# Altium PCB Tag201_GangProgrammerRev1.PcbDoc (part 7 of 7)
Units mil, origin at the board's own origin, x right, y up, seen from the top; angles counter-clockwise.
Board outline 10400 x 10885 mil, 4 copper layers (Top Layer, VCC, GND, Bottom Layer), stack 67.2 mil thick; 874 components, 385 nets, 2980 pads, 650 vias.
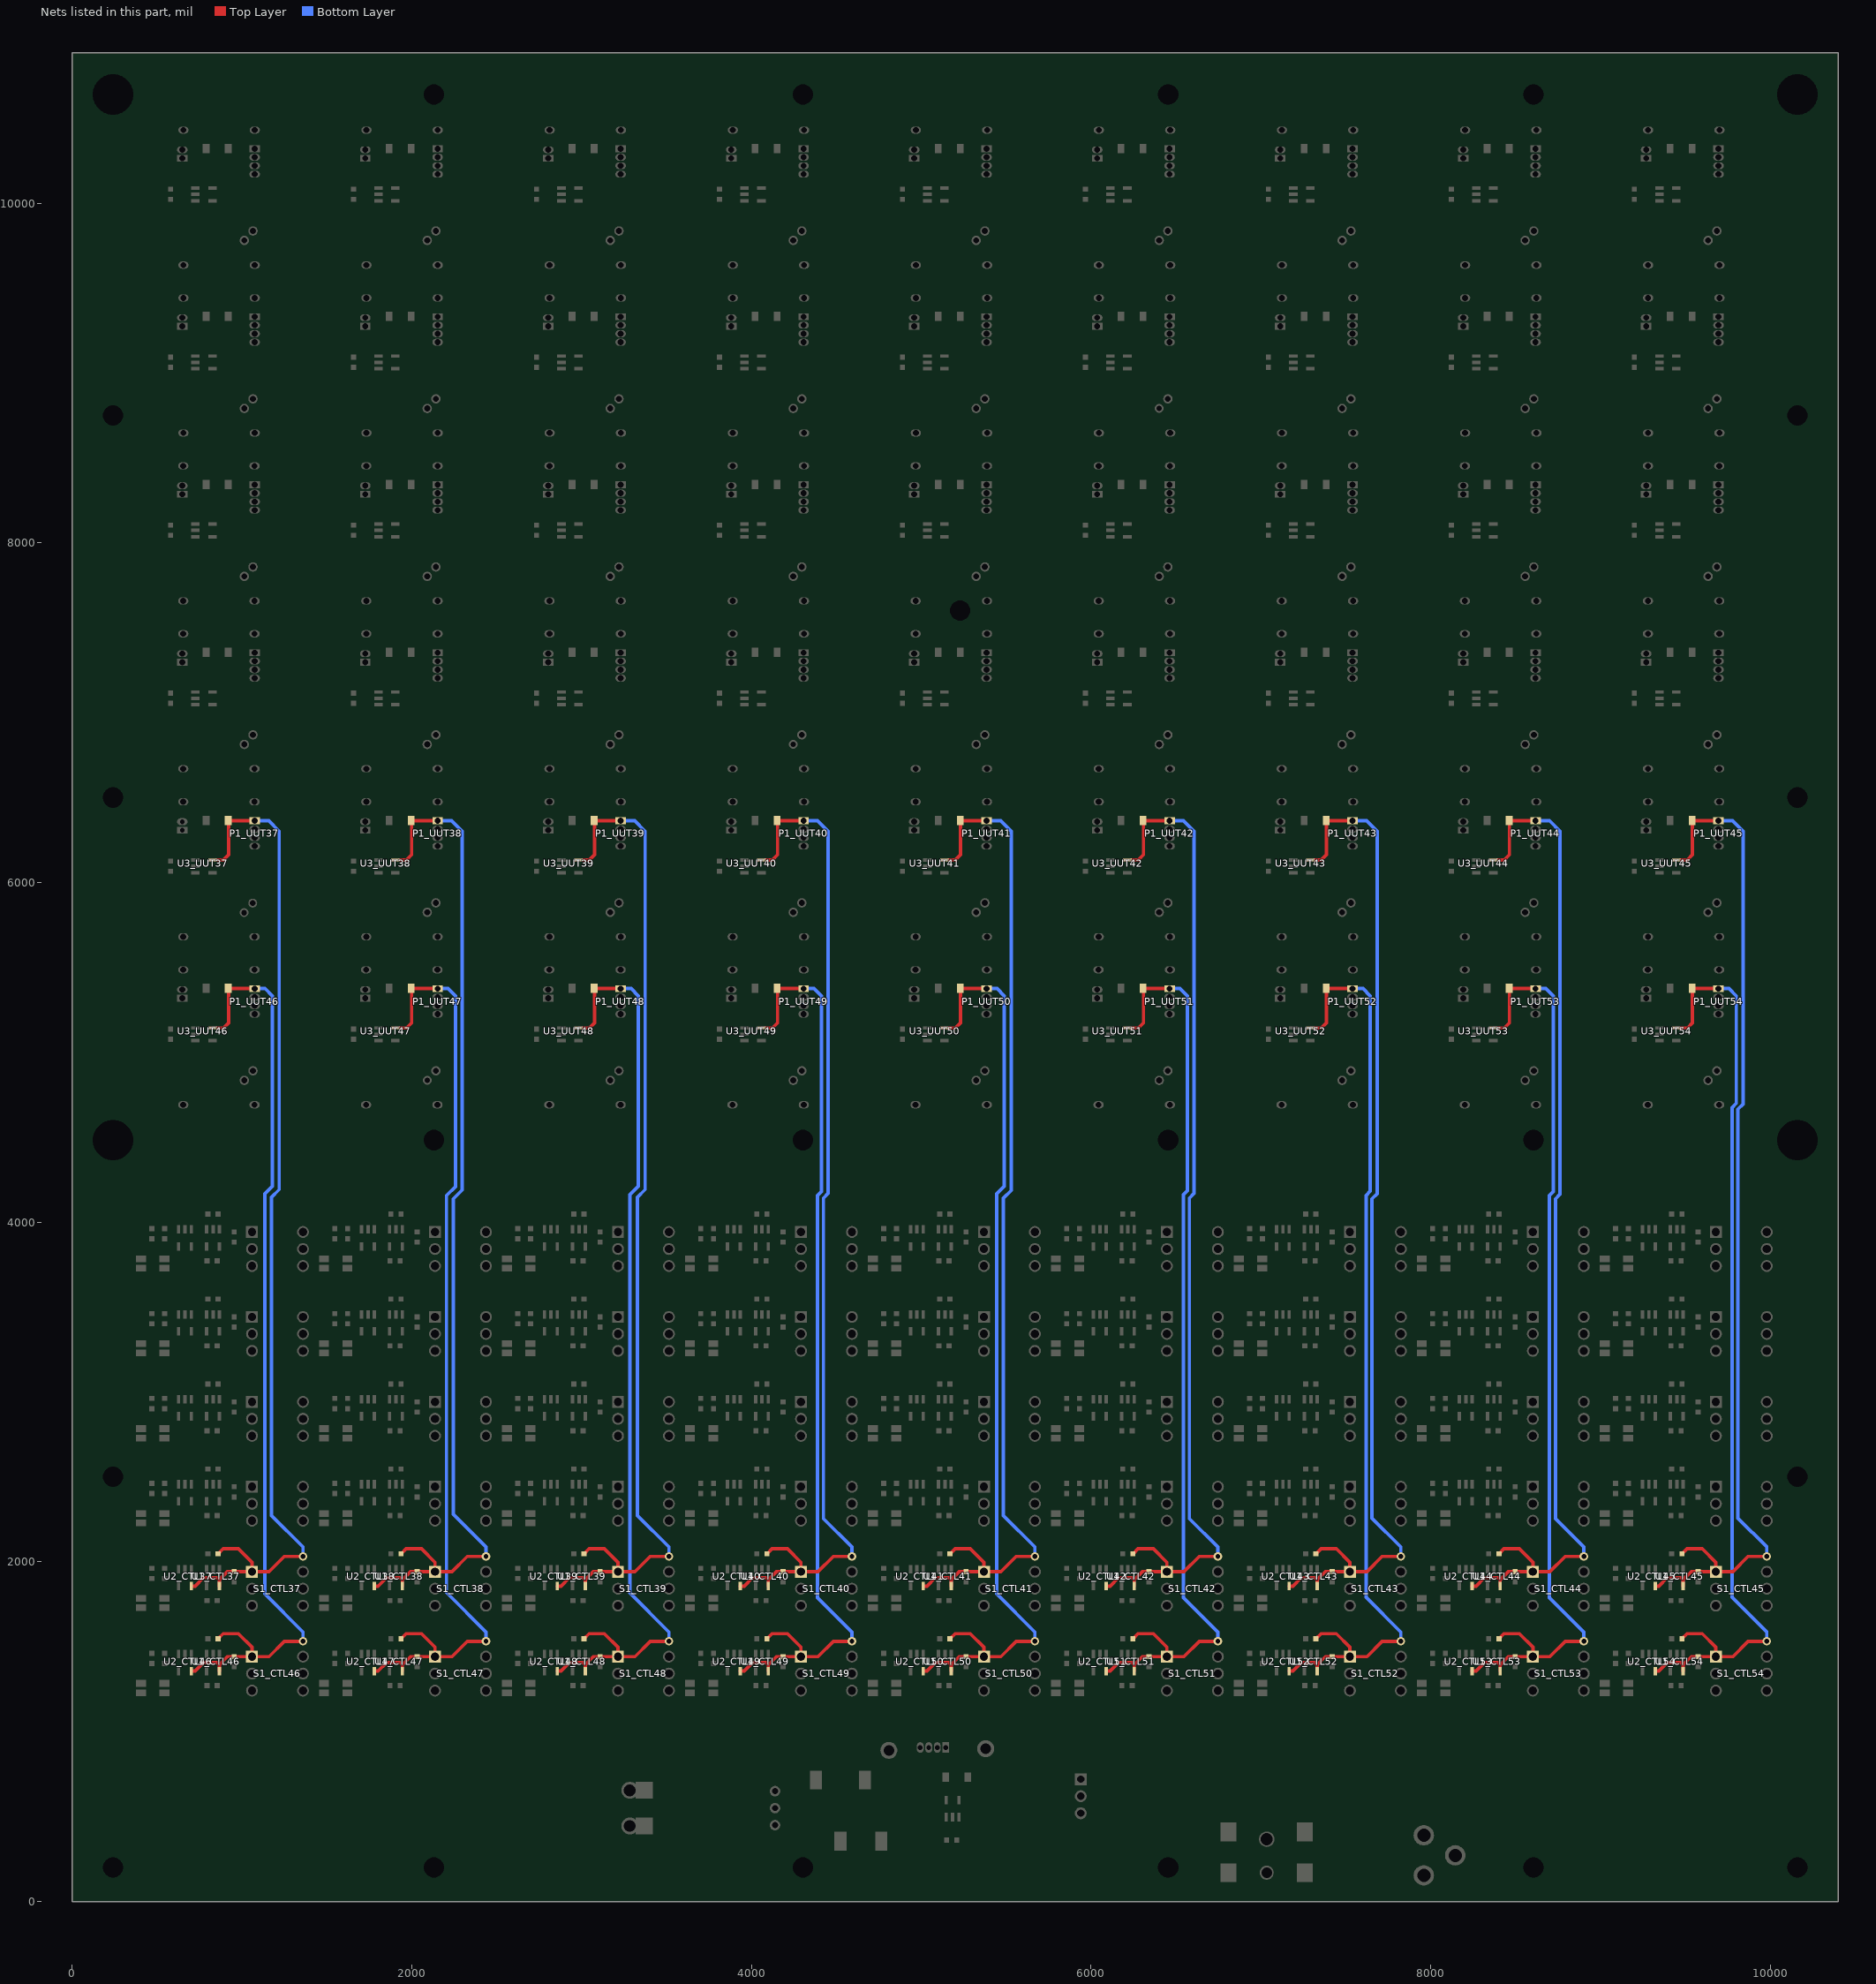
[diagram p9: the nets of this part, all layers, seen from the top]

## Via types
v1: diameter 50, hole 28, Top Layer to Bottom Layer, tented both sides, 650 vias

## Nets (pads, with @x,y where several pads share a name; then routed paths per layer and width w, separated by ;. In a path a pad name is that pad's centre, name@x,y a point inside that pad or via, vN(x,y) a via of type N, cw(c..) or ccw(c..) an arc to the next point about the centre after c; other vN are vias at no path point) (continued)
VCC37: C2_UUT37.1 C3_CTL37.1 P1_UUT37.1 R4_CTL37.1 S1_CTL37.1 U1_CTL37.5 U2_CTL37.5 U3_UUT37.5 | length 6076
  Top Layer w20: U2_CTL37.5@701.5,1857 724,1857 774,1907 854,1907 866.5,1894.5 ; U3_UUT37.5@826,6132.5 890.5,6132.5 921,6163 921,6364 P1_UUT37.1@1074.5,6364 ; R4_CTL37.1@859,2047 889,2077 979,2077 1059,1997 S1_CTL37.1@1059,1942 ; U1_CTL37.5@866.5,1857 866.5,1894.5 ; v1(1359,2032) 1249,2032 1159,1942 S1_CTL37.1@1059,1942 ; 866.5,1894.5 914,1942 C3_CTL37.1@954,1942 S1_CTL37.1@1059,1942
  Bottom Layer w20: P1_UUT37.1@1074.5,6364 1157,6364 1219,6302 1219,4192 1174,4147 1174,2272 1359,2087 v1(1359,2032)
VCC38: C2_UUT38.1 C3_CTL38.1 P1_UUT38.1 R4_CTL38.1 S1_CTL38.1 U1_CTL38.5 U2_CTL38.5 U3_UUT38.5 | length 6082.2
  Top Layer w20: U2_CTL38.5@1779,1857 1801.5,1857 1851.5,1907 1931.5,1907 1944,1894.5 ; U3_UUT38.5@1903.5,6132.5 1968,6132.5 1998.5,6163 1998.5,6364 P1_UUT38.1@2152,6364 ; R4_CTL38.1@1936.5,2047 1966.5,2077 2056.5,2077 2136.5,1997 S1_CTL38.1@2136.5,1942 ; U1_CTL38.5@1944,1857 1944,1894.5 ; v1(2436.5,2032) 2326.5,2032 2236.5,1942 S1_CTL38.1@2136.5,1942 ; 1944,1894.5 1991.5,1942 C3_CTL38.1@2031.5,1942 S1_CTL38.1@2136.5,1942
  Bottom Layer w20: P1_UUT38.1@2152,6364 2234.5,6364 2296.5,6302 2296.5,4189.5 2244,4137 2244,2279.5 2436.5,2087 v1(2436.5,2032)
VCC39: C2_UUT39.1 C3_CTL39.1 P1_UUT39.1 R4_CTL39.1 S1_CTL39.1 U1_CTL39.5 U2_CTL39.5 U3_UUT39.5 | length 6076
  Top Layer w20: U2_CTL39.5@2856.5,1857 2879,1857 2929,1907 3009,1907 3021.5,1894.5 ; U3_UUT39.5@2981,6132.5 3045.5,6132.5 3076,6163 3076,6364 P1_UUT39.1@3229.5,6364 ; R4_CTL39.1@3014,2047 3044,2077 3134,2077 3214,1997 S1_CTL39.1@3214,1942 ; U1_CTL39.5@3021.5,1857 3021.5,1894.5 ; v1(3514,2032) 3404,2032 3314,1942 S1_CTL39.1@3214,1942 ; 3021.5,1894.5 3069,1942 C3_CTL39.1@3109,1942 S1_CTL39.1@3214,1942
  Bottom Layer w20: P1_UUT39.1@3229.5,6364 3312,6364 3374,6302 3374,4192 3329,4147 3329,2272 3514,2087 v1(3514,2032)
VCC40: C2_UUT40.1 C3_CTL40.1 P1_UUT40.1 R4_CTL40.1 S1_CTL40.1 U1_CTL40.5 U2_CTL40.5 U3_UUT40.5 | length 6061.5
  Top Layer w20: U2_CTL40.5@3934,1857 3956.5,1857 4006.5,1907 4086.5,1907 4099,1894.5 ; U3_UUT40.5@4058.5,6132.5 4123,6132.5 4153.5,6163 4153.5,6364 P1_UUT40.1@4307,6364 ; R4_CTL40.1@4091.5,2047 4121.5,2077 4211.5,2077 4291.5,1997 S1_CTL40.1@4291.5,1942 ; U1_CTL40.5@4099,1857 4099,1894.5 ; v1(4591.5,2032) 4481.5,2032 4391.5,1942 S1_CTL40.1@4291.5,1942 ; 4099,1894.5 4146.5,1942 C3_CTL40.1@4186.5,1942 S1_CTL40.1@4291.5,1942
  Bottom Layer w20: P1_UUT40.1@4307,6364 4389.5,6364 4451.5,6302 4451.5,4169.5 4424,4142 4424,2254.5 4591.5,2087 v1(4591.5,2032)
VCC41: C2_UUT41.1 C3_CTL41.1 P1_UUT41.1 R4_CTL41.1 S1_CTL41.1 U1_CTL41.5 U2_CTL41.5 U3_UUT41.5 | length 6076
  Top Layer w20: U2_CTL41.5@5011.5,1857 5034,1857 5084,1907 5164,1907 5176.5,1894.5 ; U3_UUT41.5@5136,6132.5 5200.5,6132.5 5231,6163 5231,6364 P1_UUT41.1@5384.5,6364 ; R4_CTL41.1@5169,2047 5199,2077 5289,2077 5369,1997 S1_CTL41.1@5369,1942 ; U1_CTL41.5@5176.5,1857 5176.5,1894.5 ; v1(5669,2032) 5559,2032 5469,1942 S1_CTL41.1@5369,1942 ; 5176.5,1894.5 5224,1942 C3_CTL41.1@5264,1942 S1_CTL41.1@5369,1942
  Bottom Layer w20: P1_UUT41.1@5384.5,6364 5467,6364 5529,6302 5529,4187 5484,4142 5484,2272 5669,2087 v1(5669,2032)
VCC42: C2_UUT42.1 C3_CTL42.1 P1_UUT42.1 R4_CTL42.1 S1_CTL42.1 U1_CTL42.5 U2_CTL42.5 U3_UUT42.5 | length 6061.5
  Top Layer w20: U2_CTL42.5@6089,1857 6111.5,1857 6161.5,1907 6241.5,1907 6254,1894.5 ; U3_UUT42.5@6213.5,6132.5 6278,6132.5 6308.5,6163 6308.5,6364 P1_UUT42.1@6462,6364 ; R4_CTL42.1@6246.5,2047 6276.5,2077 6366.5,2077 6446.5,1997 S1_CTL42.1@6446.5,1942 ; U1_CTL42.5@6254,1857 6254,1894.5 ; v1(6746.5,2032) 6636.5,2032 6546.5,1942 S1_CTL42.1@6446.5,1942 ; 6254,1894.5 6301.5,1942 C3_CTL42.1@6341.5,1942 S1_CTL42.1@6446.5,1942
  Bottom Layer w20: P1_UUT42.1@6462,6364 6544.5,6364 6606.5,6302 6606.5,4169.5 6579,4142 6579,2254.5 6746.5,2087 v1(6746.5,2032)
VCC43: C2_UUT43.1 C3_CTL43.1 P1_UUT43.1 R4_CTL43.1 S1_CTL43.1 U1_CTL43.5 U2_CTL43.5 U3_UUT43.5 | length 6063.6
  Top Layer w20: U2_CTL43.5@7166.5,1857 7189,1857 7239,1907 7319,1907 7331.5,1894.5 ; U3_UUT43.5@7291,6132.5 7355.5,6132.5 7386,6163 7386,6364 P1_UUT43.1@7539.5,6364 ; R4_CTL43.1@7324,2047 7354,2077 7444,2077 7524,1997 S1_CTL43.1@7524,1942 ; U1_CTL43.5@7331.5,1857 7331.5,1894.5 ; v1(7824,2032) 7714,2032 7624,1942 S1_CTL43.1@7524,1942 ; 7331.5,1894.5 7379,1942 C3_CTL43.1@7419,1942 S1_CTL43.1@7524,1942
  Bottom Layer w20: P1_UUT43.1@7539.5,6364 7622,6364 7684,6302 7684,4167 7654,4137 7654,2257 7824,2087 v1(7824,2032)
VCC44: C2_UUT44.1 C3_CTL44.1 P1_UUT44.1 R4_CTL44.1 S1_CTL44.1 U1_CTL44.5 U2_CTL44.5 U3_UUT44.5 | length 6061.5
  Top Layer w20: U2_CTL44.5@8244,1857 8266.5,1857 8316.5,1907 8396.5,1907 8409,1894.5 ; U3_UUT44.5@8368.5,6132.5 8433,6132.5 8463.5,6163 8463.5,6364 P1_UUT44.1@8617,6364 ; R4_CTL44.1@8401.5,2047 8431.5,2077 8521.5,2077 8601.5,1997 S1_CTL44.1@8601.5,1942 ; U1_CTL44.5@8409,1857 8409,1894.5 ; v1(8901.5,2032) 8791.5,2032 8701.5,1942 S1_CTL44.1@8601.5,1942 ; 8409,1894.5 8456.5,1942 C3_CTL44.1@8496.5,1942 S1_CTL44.1@8601.5,1942
  Bottom Layer w20: P1_UUT44.1@8617,6364 8699.5,6364 8761.5,6302 8761.5,4164.5 8734,4137 8734,2254.5 8901.5,2087 v1(8901.5,2032)
VCC45: C2_UUT45.1 C3_CTL45.1 P1_UUT45.1 R4_CTL45.1 S1_CTL45.1 U1_CTL45.5 U2_CTL45.5 U3_UUT45.5 | length 6063.6
  Top Layer w20: U2_CTL45.5@9321.5,1857 9344,1857 9394,1907 9474,1907 9486.5,1894.5 ; U3_UUT45.5@9446,6132.5 9510.5,6132.5 9541,6163 9541,6364 P1_UUT45.1@9694.5,6364 ; R4_CTL45.1@9479,2047 9509,2077 9599,2077 9679,1997 S1_CTL45.1@9679,1942 ; U1_CTL45.5@9486.5,1857 9486.5,1894.5 ; v1(9979,2032) 9869,2032 9779,1942 S1_CTL45.1@9679,1942 ; 9486.5,1894.5 9534,1942 C3_CTL45.1@9574,1942 S1_CTL45.1@9679,1942
  Bottom Layer w20: P1_UUT45.1@9694.5,6364 9777,6364 9839,6302 9839,4695 9809,4665 9809,2257 9979,2087 v1(9979,2032)
VCC46: C2_UUT46.1 C3_CTL46.1 P1_UUT46.1 R4_CTL46.1 S1_CTL46.1 U1_CTL46.5 U2_CTL46.5 U3_UUT46.5 | length 5574.7
  Top Layer w20: U2_CTL46.5@701.5,1357 724,1357 774,1407 854,1407 866.5,1394.5 ; U3_UUT46.5@826,5143.5 890.5,5143.5 921,5174 921,5375 P1_UUT46.1@1074.5,5375 ; R4_CTL46.1@859,1547 889,1577 979,1577 1059,1497 S1_CTL46.1@1059,1442 ; U1_CTL46.5@866.5,1357 866.5,1394.5 ; v1(1359,1532) 1249,1532 1159,1442 S1_CTL46.1@1059,1442 ; 866.5,1394.5 914,1442 C3_CTL46.1@954,1442 S1_CTL46.1@1059,1442
  Bottom Layer w20: P1_UUT46.1@1074.5,5375 1136,5375 1179,5332 1179,4212 1134,4167 1134,1812 1359,1587 v1(1359,1532)
VCC47: C2_UUT47.1 C3_CTL47.1 P1_UUT47.1 R4_CTL47.1 S1_CTL47.1 U1_CTL47.5 U2_CTL47.5 U3_UUT47.5 | length 5580.9
  Top Layer w20: U2_CTL47.5@1779,1357 1801.5,1357 1851.5,1407 1931.5,1407 1944,1394.5 ; U3_UUT47.5@1903.5,5143.5 1968,5143.5 1998.5,5174 1998.5,5375 P1_UUT47.1@2152,5375 ; R4_CTL47.1@1936.5,1547 1966.5,1577 2056.5,1577 2136.5,1497 S1_CTL47.1@2136.5,1442 ; U1_CTL47.5@1944,1357 1944,1394.5 ; v1(2436.5,1532) 2326.5,1532 2236.5,1442 S1_CTL47.1@2136.5,1442 ; 1944,1394.5 1991.5,1442 C3_CTL47.1@2031.5,1442 S1_CTL47.1@2136.5,1442
  Bottom Layer w20: P1_UUT47.1@2152,5375 2213.5,5375 2256.5,5332 2256.5,4209.5 2204,4157 2204,1819.5 2436.5,1587 v1(2436.5,1532)
VCC48: C2_UUT48.1 C3_CTL48.1 P1_UUT48.1 R4_CTL48.1 S1_CTL48.1 U1_CTL48.5 U2_CTL48.5 U3_UUT48.5 | length 5578.8
  Top Layer w20: U2_CTL48.5@2856.5,1357 2879,1357 2929,1407 3009,1407 3021.5,1394.5 ; U3_UUT48.5@2981,5143.5 3045.5,5143.5 3076,5174 3076,5375 P1_UUT48.1@3229.5,5375 ; R4_CTL48.1@3014,1547 3044,1577 3134,1577 3214,1497 S1_CTL48.1@3214,1442 ; U1_CTL48.5@3021.5,1357 3021.5,1394.5 ; v1(3514,1532) 3404,1532 3314,1442 S1_CTL48.1@3214,1442 ; 3021.5,1394.5 3069,1442 C3_CTL48.1@3109,1442 S1_CTL48.1@3214,1442
  Bottom Layer w20: P1_UUT48.1@3229.5,5375 3291,5375 3334,5332 3334,4212 3284,4162 3284,1817 3514,1587 v1(3514,1532)
VCC49: C2_UUT49.1 C3_CTL49.1 P1_UUT49.1 R4_CTL49.1 S1_CTL49.1 U1_CTL49.5 U2_CTL49.5 U3_UUT49.5 | length 5556
  Top Layer w20: U2_CTL49.5@3934,1357 3956.5,1357 4006.5,1407 4086.5,1407 4099,1394.5 ; U3_UUT49.5@4058.5,5143.5 4123,5143.5 4153.5,5174 4153.5,5375 P1_UUT49.1@4307,5375 ; R4_CTL49.1@4091.5,1547 4121.5,1577 4211.5,1577 4291.5,1497 S1_CTL49.1@4291.5,1442 ; U1_CTL49.5@4099,1357 4099,1394.5 ; v1(4591.5,1532) 4481.5,1532 4391.5,1442 S1_CTL49.1@4291.5,1442 ; 4099,1394.5 4146.5,1442 C3_CTL49.1@4186.5,1442 S1_CTL49.1@4291.5,1442
  Bottom Layer w20: P1_UUT49.1@4307,5375 4368.5,5375 4411.5,5332 4411.5,4179.5 4389,4157 4389,1789.5 4591.5,1587 v1(4591.5,1532)
VCC50: C2_UUT50.1 C3_CTL50.1 P1_UUT50.1 R4_CTL50.1 S1_CTL50.1 U1_CTL50.5 U2_CTL50.5 U3_UUT50.5 | length 5574.7
  Top Layer w20: U2_CTL50.5@5011.5,1357 5034,1357 5084,1407 5164,1407 5176.5,1394.5 ; U3_UUT50.5@5136,5143.5 5200.5,5143.5 5231,5174 5231,5375 P1_UUT50.1@5384.5,5375 ; R4_CTL50.1@5169,1547 5199,1577 5289,1577 5369,1497 S1_CTL50.1@5369,1442 ; U1_CTL50.5@5176.5,1357 5176.5,1394.5 ; v1(5669,1532) 5559,1532 5469,1442 S1_CTL50.1@5369,1442 ; 5176.5,1394.5 5224,1442 C3_CTL50.1@5264,1442 S1_CTL50.1@5369,1442
  Bottom Layer w20: P1_UUT50.1@5384.5,5375 5446,5375 5489,5332 5489,4212 5444,4167 5444,1812 5669,1587 v1(5669,1532)
VCC51: C2_UUT51.1 C3_CTL51.1 P1_UUT51.1 R4_CTL51.1 S1_CTL51.1 U1_CTL51.5 U2_CTL51.5 U3_UUT51.5 | length 5556
  Top Layer w20: U2_CTL51.5@6089,1357 6111.5,1357 6161.5,1407 6241.5,1407 6254,1394.5 ; U3_UUT51.5@6213.5,5143.5 6278,5143.5 6308.5,5174 6308.5,5375 P1_UUT51.1@6462,5375 ; R4_CTL51.1@6246.5,1547 6276.5,1577 6366.5,1577 6446.5,1497 S1_CTL51.1@6446.5,1442 ; U1_CTL51.5@6254,1357 6254,1394.5 ; v1(6746.5,1532) 6636.5,1532 6546.5,1442 S1_CTL51.1@6446.5,1442 ; 6254,1394.5 6301.5,1442 C3_CTL51.1@6341.5,1442 S1_CTL51.1@6446.5,1442
  Bottom Layer w20: P1_UUT51.1@6462,5375 6523.5,5375 6566.5,5332 6566.5,4184.5 6544,4162 6544,1789.5 6746.5,1587 v1(6746.5,1532)
VCC52: C2_UUT52.1 C3_CTL52.1 P1_UUT52.1 R4_CTL52.1 S1_CTL52.1 U1_CTL52.5 U2_CTL52.5 U3_UUT52.5 | length 5558.1
  Top Layer w20: U2_CTL52.5@7166.5,1357 7189,1357 7239,1407 7319,1407 7331.5,1394.5 ; U3_UUT52.5@7291,5143.5 7355.5,5143.5 7386,5174 7386,5375 P1_UUT52.1@7539.5,5375 ; R4_CTL52.1@7324,1547 7354,1577 7444,1577 7524,1497 S1_CTL52.1@7524,1442 ; U1_CTL52.5@7331.5,1357 7331.5,1394.5 ; v1(7824,1532) 7714,1532 7624,1442 S1_CTL52.1@7524,1442 ; 7331.5,1394.5 7379,1442 C3_CTL52.1@7419,1442 S1_CTL52.1@7524,1442
  Bottom Layer w20: P1_UUT52.1@7539.5,5375 7601,5375 7644,5332 7644,4182 7619,4157 7619,1792 7824,1587 v1(7824,1532)
VCC53: C2_UUT53.1 C3_CTL53.1 P1_UUT53.1 R4_CTL53.1 S1_CTL53.1 U1_CTL53.5 U2_CTL53.5 U3_UUT53.5 | length 5556
  Top Layer w20: U2_CTL53.5@8244,1357 8266.5,1357 8316.5,1407 8396.5,1407 8409,1394.5 ; U3_UUT53.5@8368.5,5143.5 8433,5143.5 8463.5,5174 8463.5,5375 P1_UUT53.1@8617,5375 ; R4_CTL53.1@8401.5,1547 8431.5,1577 8521.5,1577 8601.5,1497 S1_CTL53.1@8601.5,1442 ; U1_CTL53.5@8409,1357 8409,1394.5 ; v1(8901.5,1532) 8791.5,1532 8701.5,1442 S1_CTL53.1@8601.5,1442 ; 8409,1394.5 8456.5,1442 C3_CTL53.1@8496.5,1442 S1_CTL53.1@8601.5,1442
  Bottom Layer w20: P1_UUT53.1@8617,5375 8678.5,5375 8721.5,5332 8721.5,4179.5 8699,4157 8699,1789.5 8901.5,1587 v1(8901.5,1532)
VCC54: C2_UUT54.1 C3_CTL54.1 P1_UUT54.1 R4_CTL54.1 S1_CTL54.1 U1_CTL54.5 U2_CTL54.5 U3_UUT54.5 | length 5558.1
  Top Layer w20: U2_CTL54.5@9321.5,1357 9344,1357 9394,1407 9474,1407 9486.5,1394.5 ; U3_UUT54.5@9446,5143.5 9510.5,5143.5 9541,5174 9541,5375 P1_UUT54.1@9694.5,5375 ; R4_CTL54.1@9479,1547 9509,1577 9599,1577 9679,1497 S1_CTL54.1@9679,1442 ; U1_CTL54.5@9486.5,1357 9486.5,1394.5 ; v1(9979,1532) 9869,1532 9779,1442 S1_CTL54.1@9679,1442 ; 9486.5,1394.5 9534,1442 C3_CTL54.1@9574,1442 S1_CTL54.1@9679,1442
  Bottom Layer w20: P1_UUT54.1@9694.5,5375 9756,5375 9799,5332 9799,4700 9774,4675 9774,1792 9979,1587 v1(9979,1532)
pads on no net: J1_UUT1.1 J1_UUT2.1 J1_UUT3.1 J1_UUT4.1 J1_UUT5.1 J1_UUT6.1 J1_UUT7.1 J1_UUT8.1 J1_UUT9.1 J1_UUT10.1 J1_UUT11.1 J1_UUT12.1 J1_UUT13.1 J1_UUT14.1 J1_UUT15.1 J1_UUT16.1 J1_UUT17.1 J1_UUT18.1 J1_UUT19.1 J1_UUT20.1 J1_UUT21.1 J1_UUT22.1 J1_UUT23.1 J1_UUT24.1 J1_UUT25.1 J1_UUT26.1 J1_UUT27.1 J1_UUT28.1 J1_UUT29.1 J1_UUT30.1 J1_UUT31.1 J1_UUT32.1 J1_UUT33.1 J1_UUT34.1 J1_UUT35.1 J1_UUT36.1 J1_UUT37.1 J1_UUT38.1 J1_UUT39.1 J1_UUT40.1 J1_UUT41.1 J1_UUT42.1 J1_UUT43.1 J1_UUT44.1 J1_UUT45.1 J1_UUT46.1 J1_UUT47.1 J1_UUT48.1 J1_UUT49.1 J1_UUT50.1 J1_UUT51.1 J1_UUT52.1 J1_UUT53.1 J1_UUT54.1 J2_UUT1.1 J2_UUT2.1 J2_UUT3.1 J2_UUT4.1 J2_UUT5.1 J2_UUT6.1 J2_UUT7.1 J2_UUT8.1 J2_UUT9.1 J2_UUT10.1 J2_UUT11.1 J2_UUT12.1 J2_UUT13.1 J2_UUT14.1 J2_UUT15.1 J2_UUT16.1 J2_UUT17.1 J2_UUT18.1 J2_UUT19.1 J2_UUT20.1 J2_UUT21.1 J2_UUT22.1 J2_UUT23.1 J2_UUT24.1 J2_UUT25.1 J2_UUT26.1 J2_UUT27.1 J2_UUT28.1 J2_UUT29.1 J2_UUT30.1 J2_UUT31.1 J2_UUT32.1 J2_UUT33.1 J2_UUT34.1 J2_UUT35.1 J2_UUT36.1 J2_UUT37.1 J2_UUT38.1 J2_UUT39.1 J2_UUT40.1 J2_UUT41.1 J2_UUT42.1 J2_UUT43.1 J2_UUT44.1 J2_UUT45.1 J2_UUT46.1 J2_UUT47.1 J2_UUT48.1 J2_UUT49.1 J2_UUT50.1 J2_UUT51.1 J2_UUT52.1 J2_UUT53.1 J2_UUT54.1 P20.2 P21.0 P21.3 S1.1 S1_CTL1.3 S1_CTL1.4 S1_CTL1.5 S1_CTL1.6 S1_CTL2.3 S1_CTL2.4 S1_CTL2.5 S1_CTL2.6 S1_CTL3.3 S1_CTL3.4 S1_CTL3.5 S1_CTL3.6 S1_CTL4.3 S1_CTL4.4 S1_CTL4.5 S1_CTL4.6 S1_CTL5.3 S1_CTL5.4 S1_CTL5.5 S1_CTL5.6 S1_CTL6.3 S1_CTL6.4 S1_CTL6.5 S1_CTL6.6 S1_CTL7.3 S1_CTL7.4 S1_CTL7.5 S1_CTL7.6 S1_CTL8.3 S1_CTL8.4 S1_CTL8.5 S1_CTL8.6 S1_CTL9.3 S1_CTL9.4 S1_CTL9.5 S1_CTL9.6 S1_CTL10.3 S1_CTL10.4 S1_CTL10.5 S1_CTL10.6 S1_CTL11.3 S1_CTL11.4 S1_CTL11.5 S1_CTL11.6 S1_CTL12.3 S1_CTL12.4 S1_CTL12.5 S1_CTL12.6 S1_CTL13.3 S1_CTL13.4 S1_CTL13.5 S1_CTL13.6 S1_CTL14.3 S1_CTL14.4 S1_CTL14.5 S1_CTL14.6 S1_CTL15.3 S1_CTL15.4 S1_CTL15.5 S1_CTL15.6 S1_CTL16.3 S1_CTL16.4 S1_CTL16.5 S1_CTL16.6 S1_CTL17.3 S1_CTL17.4 S1_CTL17.5 S1_CTL17.6 S1_CTL18.3 S1_CTL18.4 S1_CTL18.5 S1_CTL18.6 S1_CTL19.3 S1_CTL19.4 S1_CTL19.5 S1_CTL19.6 S1_CTL20.3 S1_CTL20.4 S1_CTL20.5 S1_CTL20.6 S1_CTL21.3 S1_CTL21.4 S1_CTL21.5 S1_CTL21.6 S1_CTL22.3 S1_CTL22.4 S1_CTL22.5 S1_CTL22.6 S1_CTL23.3 S1_CTL23.4 S1_CTL23.5 S1_CTL23.6 S1_CTL24.3 S1_CTL24.4 S1_CTL24.5 S1_CTL24.6 S1_CTL25.3 S1_CTL25.4 S1_CTL25.5 S1_CTL25.6 S1_CTL26.3 S1_CTL26.4 S1_CTL26.5 S1_CTL26.6 S1_CTL27.3 S1_CTL27.4 S1_CTL27.5 S1_CTL27.6 S1_CTL28.3 S1_CTL28.4 S1_CTL28.5 S1_CTL28.6 S1_CTL29.3 S1_CTL29.4 S1_CTL29.5 S1_CTL29.6 S1_CTL30.3 S1_CTL30.4 S1_CTL30.5 S1_CTL30.6 S1_CTL31.3 S1_CTL31.4 S1_CTL31.5 S1_CTL31.6 S1_CTL32.3 S1_CTL32.4 S1_CTL32.5 S1_CTL32.6 S1_CTL33.3 S1_CTL33.4 S1_CTL33.5 S1_CTL33.6 S1_CTL34.3 S1_CTL34.4 S1_CTL34.5 S1_CTL34.6 S1_CTL35.3 S1_CTL35.4 S1_CTL35.5 S1_CTL35.6 S1_CTL36.3 S1_CTL36.4 S1_CTL36.5 S1_CTL36.6 S1_CTL37.3 S1_CTL37.4 S1_CTL37.5 S1_CTL37.6 S1_CTL38.3 S1_CTL38.4 S1_CTL38.5 S1_CTL38.6 S1_CTL39.3 S1_CTL39.4 S1_CTL39.5 S1_CTL39.6 S1_CTL40.3 S1_CTL40.4 S1_CTL40.5 S1_CTL40.6 S1_CTL41.3 S1_CTL41.4 S1_CTL41.5 S1_CTL41.6 S1_CTL42.3 S1_CTL42.4 S1_CTL42.5 S1_CTL42.6 S1_CTL43.3 S1_CTL43.4 S1_CTL43.5 S1_CTL43.6 S1_CTL44.3 S1_CTL44.4 S1_CTL44.5 S1_CTL44.6 S1_CTL45.3 S1_CTL45.4 S1_CTL45.5 S1_CTL45.6 S1_CTL46.3 S1_CTL46.4 S1_CTL46.5 S1_CTL46.6 S1_CTL47.3 S1_CTL47.4 S1_CTL47.5 S1_CTL47.6 S1_CTL48.3 S1_CTL48.4 S1_CTL48.5 S1_CTL48.6 S1_CTL49.3 S1_CTL49.4 S1_CTL49.5 S1_CTL49.6 S1_CTL50.3 S1_CTL50.4 S1_CTL50.5 S1_CTL50.6 S1_CTL51.3 S1_CTL51.4 S1_CTL51.5 S1_CTL51.6 S1_CTL52.3 S1_CTL52.4 S1_CTL52.5 S1_CTL52.6 S1_CTL53.3 S1_CTL53.4 S1_CTL53.5 S1_CTL53.6 S1_CTL54.3 S1_CTL54.4 S1_CTL54.5 S1_CTL54.6 U1_CTL1.1@904,3972 U1_CTL2.1@1981.5,3972 U1_CTL3.1@3059,3972 U1_CTL4.1@4136.5,3972 U1_CTL5.1@5214,3972 U1_CTL6.1@6291.5,3972 U1_CTL7.1@7369,3972 U1_CTL8.1@8446.5,3972 U1_CTL9.1@9524,3972 U1_CTL10.1@904,3472 U1_CTL11.1@1981.5,3472 U1_CTL12.1@3059,3472 U1_CTL13.1@4136.5,3472 U1_CTL14.1@5214,3472 U1_CTL15.1@6291.5,3472 U1_CTL16.1@7369,3472 U1_CTL17.1@8446.5,3472 U1_CTL18.1@9524,3472 U1_CTL19.1@904,2972 U1_CTL20.1@1981.5,2972 U1_CTL21.1@3059,2972 U1_CTL22.1@4136.5,2972 U1_CTL23.1@5214,2972 U1_CTL24.1@6291.5,2972 U1_CTL25.1@7369,2972 U1_CTL26.1@8446.5,2972 U1_CTL27.1@9524,2972 U1_CTL28.1@904,2472 U1_CTL29.1@1981.5,2472 U1_CTL30.1@3059,2472 U1_CTL31.1@4136.5,2472 U1_CTL32.1@5214,2472 U1_CTL33.1@6291.5,2472 U1_CTL34.1@7369,2472 U1_CTL35.1@8446.5,2472 U1_CTL36.1@9524,2472 U1_CTL37.1@904,1972 U1_CTL38.1@1981.5,1972 U1_CTL39.1@3059,1972 U1_CTL40.1@4136.5,1972 U1_CTL41.1@5214,1972 U1_CTL42.1@6291.5,1972 U1_CTL43.1@7369,1972 U1_CTL44.1@8446.5,1972 U1_CTL45.1@9524,1972 U1_CTL46.1@904,1472 U1_CTL47.1@1981.5,1472 U1_CTL48.1@3059,1472 U1_CTL49.1@4136.5,1472 U1_CTL50.1@5214,1472 U1_CTL51.1@6291.5,1472 U1_CTL52.1@7369,1472 U1_CTL53.1@8446.5,1472 U1_CTL54.1@9524,1472 U2_CTL1.1@739,3972 U2_CTL2.1@1816.5,3972 U2_CTL3.1@2894,3972 U2_CTL4.1@3971.5,3972 U2_CTL5.1@5049,3972 U2_CTL6.1@6126.5,3972 U2_CTL7.1@7204,3972 U2_CTL8.1@8281.5,3972 U2_CTL9.1@9359,3972 U2_CTL10.1@739,3472 U2_CTL11.1@1816.5,3472 U2_CTL12.1@2894,3472 U2_CTL13.1@3971.5,3472 U2_CTL14.1@5049,3472 U2_CTL15.1@6126.5,3472 U2_CTL16.1@7204,3472 U2_CTL17.1@8281.5,3472 U2_CTL18.1@9359,3472 U2_CTL19.1@739,2972 U2_CTL20.1@1816.5,2972 U2_CTL21.1@2894,2972 U2_CTL22.1@3971.5,2972 U2_CTL23.1@5049,2972 U2_CTL24.1@6126.5,2972 U2_CTL25.1@7204,2972 U2_CTL26.1@8281.5,2972 U2_CTL27.1@9359,2972 U2_CTL28.1@739,2472 U2_CTL29.1@1816.5,2472 U2_CTL30.1@2894,2472 U2_CTL31.1@3971.5,2472 U2_CTL32.1@5049,2472 U2_CTL33.1@6126.5,2472 U2_CTL34.1@7204,2472 U2_CTL35.1@8281.5,2472 U2_CTL36.1@9359,2472 U2_CTL37.1@739,1972 U2_CTL38.1@1816.5,1972 U2_CTL39.1@2894,1972 U2_CTL40.1@3971.5,1972 U2_CTL41.1@5049,1972 U2_CTL42.1@6126.5,1972 U2_CTL43.1@7204,1972 U2_CTL44.1@8281.5,1972 U2_CTL45.1@9359,1972 U2_CTL46.1@739,1472 U2_CTL47.1@1816.5,1472 U2_CTL48.1@2894,1472 U2_CTL49.1@3971.5,1472 U2_CTL50.1@5049,1472 U2_CTL51.1@6126.5,1472 U2_CTL52.1@7204,1472 U2_CTL53.1@8281.5,1472 U2_CTL54.1@9359,1472 U3_UUT1.1@711,10126 U3_UUT1.4 U3_UUT2.1@1788.5,10126 U3_UUT2.4 U3_UUT3.1@2866,10126 U3_UUT3.4 U3_UUT4.1@3943.5,10126 U3_UUT4.4 U3_UUT5.1@5021,10126 U3_UUT5.4 U3_UUT6.1@6098.5,10126 U3_UUT6.4 U3_UUT7.1@7176,10126 U3_UUT7.4 U3_UUT8.1@8253.5,10126 U3_UUT8.4 U3_UUT9.1@9331,10126 U3_UUT9.4 U3_UUT10.1@711,9137 U3_UUT10.4 U3_UUT11.1@1788.5,9137 U3_UUT11.4 U3_UUT12.1@2866,9137 U3_UUT12.4 U3_UUT13.1@3943.5,9137 U3_UUT13.4 U3_UUT14.1@5021,9137 U3_UUT14.4 U3_UUT15.1@6098.5,9137 U3_UUT15.4 U3_UUT16.1@7176,9137 U3_UUT16.4 U3_UUT17.1@8253.5,9137 U3_UUT17.4 U3_UUT18.1@9331,9137 U3_UUT18.4 U3_UUT19.1@711,8148 U3_UUT19.4 U3_UUT20.1@1788.5,8148 U3_UUT20.4 U3_UUT21.1@2866,8148 U3_UUT21.4 U3_UUT22.1@3943.5,8148 U3_UUT22.4 U3_UUT23.1@5021,8148 U3_UUT23.4 U3_UUT24.1@6098.5,8148 U3_UUT24.4 U3_UUT25.1@7176,8148 U3_UUT25.4 U3_UUT26.1@8253.5,8148 U3_UUT26.4 U3_UUT27.1@9331,8148 U3_UUT27.4 U3_UUT28.1@711,7159 U3_UUT28.4 U3_UUT29.1@1788.5,7159 U3_UUT29.4 U3_UUT30.1@2866,7159 U3_UUT30.4 U3_UUT31.1@3943.5,7159 U3_UUT31.4 U3_UUT32.1@5021,7159 U3_UUT32.4 U3_UUT33.1@6098.5,7159 U3_UUT33.4 U3_UUT34.1@7176,7159 U3_UUT34.4 U3_UUT35.1@8253.5,7159 U3_UUT35.4 U3_UUT36.1@9331,7159 U3_UUT36.4 U3_UUT37.1@711,6170 U3_UUT37.4 U3_UUT38.1@1788.5,6170 U3_UUT38.4 U3_UUT39.1@2866,6170 U3_UUT39.4 U3_UUT40.1@3943.5,6170 U3_UUT40.4 U3_UUT41.1@5021,6170 U3_UUT41.4 U3_UUT42.1@6098.5,6170 U3_UUT42.4 U3_UUT43.1@7176,6170 U3_UUT43.4 U3_UUT44.1@8253.5,6170 U3_UUT44.4 U3_UUT45.1@9331,6170 U3_UUT45.4 U3_UUT46.1@711,5181 U3_UUT46.4 U3_UUT47.1@1788.5,5181 U3_UUT47.4 U3_UUT48.1@2866,5181 U3_UUT48.4 U3_UUT49.1@3943.5,5181 U3_UUT49.4 U3_UUT50.1@5021,5181 U3_UUT50.4 U3_UUT51.1@6098.5,5181 U3_UUT51.4 U3_UUT52.1@7176,5181 U3_UUT52.4 U3_UUT53.1@8253.5,5181 U3_UUT53.4 U3_UUT54.1@9331,5181 U3_UUT54.4 U11.1@5109,482 U11.4

## Polygon pours and split planes (outlines as drawn)
+5V on Top Layer "TOP+5V" (solid, pour order 81): 4099,590 4554,590 4554,825 4869,825 5004,690 5004,300 5159,300 5159,555 5099,555 5099,730 4829,1000 4099,1000
GND on Top Layer "TOPGND" (solid, remove dead copper, pour order 70): 204,1050 204,50 10204,50 10204,1050
GND on Top Layer "TOPGND" (solid, pour order 118): 9124,5442 9824,5442 9824,4952 9124,4952
GND on Top Layer "TOPGND" (solid, pour order 109): 9124,6431 9824,6431 9824,5941 9124,5941
GND on Top Layer "TOPGND" (solid, pour order 100): 9124,7420 9824,7420 9824,6930 9124,6930
GND on Top Layer "TOPGND" (solid, pour order 91): 9124,8409 9824,8409 9824,7919 9124,7919
GND on Top Layer "TOPGND" (solid, pour order 80): 9124,9398 9824,9398 9824,8908 9124,8908
GND on Top Layer "TOPGND" (solid, pour order 69): 9124,10387 9824,10387 9824,9897 9124,9897
GND on Top Layer "TOPGND" (solid, pour order 117): 8046.5,5442 8746.5,5442 8746.5,4952 8046.5,4952
GND on Top Layer "TOPGND" (solid, pour order 108): 8046.5,6431 8746.5,6431 8746.5,5941 8046.5,5941
GND on Top Layer "TOPGND" (solid, pour order 99): 8046.5,7420 8746.5,7420 8746.5,6930 8046.5,6930
GND on Top Layer "TOPGND" (solid, pour order 90): 8046.5,8409 8746.5,8409 8746.5,7919 8046.5,7919
GND on Top Layer "TOPGND" (solid, pour order 79): 8046.5,9398 8746.5,9398 8746.5,8908 8046.5,8908
GND on Top Layer "TOPGND" (solid, pour order 68): 8046.5,10387 8746.5,10387 8746.5,9897 8046.5,9897
GND on Top Layer "TOPGND" (solid, pour order 116): 6969,5442 7669,5442 7669,4952 6969,4952
GND on Top Layer "TOPGND" (solid, pour order 107): 6969,6431 7669,6431 7669,5941 6969,5941
GND on Top Layer "TOPGND" (solid, pour order 98): 6969,7420 7669,7420 7669,6930 6969,6930
GND on Top Layer "TOPGND" (solid, pour order 89): 6969,8409 7669,8409 7669,7919 6969,7919
GND on Top Layer "TOPGND" (solid, pour order 78): 6969,9398 7669,9398 7669,8908 6969,8908
GND on Top Layer "TOPGND" (solid, pour order 67): 6969,10387 7669,10387 7669,9897 6969,9897
GND on Top Layer "TOPGND" (solid, pour order 115): 5891.5,5442 6591.5,5442 6591.5,4952 5891.5,4952
GND on Top Layer "TOPGND" (solid, pour order 106): 5891.5,6431 6591.5,6431 6591.5,5941 5891.5,5941
GND on Top Layer "TOPGND" (solid, pour order 97): 5891.5,7420 6591.5,7420 6591.5,6930 5891.5,6930
GND on Top Layer "TOPGND" (solid, pour order 88): 5891.5,8409 6591.5,8409 6591.5,7919 5891.5,7919
GND on Top Layer "TOPGND" (solid, pour order 77): 5891.5,9398 6591.5,9398 6591.5,8908 5891.5,8908
GND on Top Layer "TOPGND" (solid, pour order 66): 5891.5,10387 6591.5,10387 6591.5,9897 5891.5,9897
GND on Top Layer "TOPGND" (solid, pour order 114): 4814,5442 5514,5442 5514,4952 4814,4952
GND on Top Layer "TOPGND" (solid, pour order 105): 4814,6431 5514,6431 5514,5941 4814,5941
GND on Top Layer "TOPGND" (solid, pour order 96): 4814,7420 5514,7420 5514,6930 4814,6930
GND on Top Layer "TOPGND" (solid, pour order 87): 4814,8409 5514,8409 5514,7919 4814,7919
GND on Top Layer "TOPGND" (solid, pour order 76): 4814,9398 5514,9398 5514,8908 4814,8908
GND on Top Layer "TOPGND" (solid, pour order 65): 4814,10387 5514,10387 5514,9897 4814,9897
GND on Top Layer "TOPGND" (solid, pour order 113): 3736.5,5442 4436.5,5442 4436.5,4952 3736.5,4952
GND on Top Layer "TOPGND" (solid, pour order 104): 3736.5,6431 4436.5,6431 4436.5,5941 3736.5,5941
GND on Top Layer "TOPGND" (solid, pour order 95): 3736.5,7420 4436.5,7420 4436.5,6930 3736.5,6930
GND on Top Layer "TOPGND" (solid, pour order 86): 3736.5,8409 4436.5,8409 4436.5,7919 3736.5,7919
GND on Top Layer "TOPGND" (solid, pour order 75): 3736.5,9398 4436.5,9398 4436.5,8908 3736.5,8908
GND on Top Layer "TOPGND" (solid, pour order 64): 3736.5,10387 4436.5,10387 4436.5,9897 3736.5,9897
GND on Top Layer "TOPGND" (solid, pour order 112): 2659,5442 3359,5442 3359,4952 2659,4952
GND on Top Layer "TOPGND" (solid, pour order 103): 2659,6431 3359,6431 3359,5941 2659,5941
GND on Top Layer "TOPGND" (solid, pour order 94): 2659,7420 3359,7420 3359,6930 2659,6930
GND on Top Layer "TOPGND" (solid, pour order 85): 2659,8409 3359,8409 3359,7919 2659,7919
GND on Top Layer "TOPGND" (solid, pour order 74): 2659,9398 3359,9398 3359,8908 2659,8908
GND on Top Layer "TOPGND" (solid, pour order 63): 2659,10387 3359,10387 3359,9897 2659,9897
GND on Top Layer "TOPGND" (solid, pour order 111): 1581.5,5442 2281.5,5442 2281.5,4952 1581.5,4952
GND on Top Layer "TOPGND" (solid, pour order 102): 1581.5,6431 2281.5,6431 2281.5,5941 1581.5,5941
GND on Top Layer "TOPGND" (solid, pour order 93): 1581.5,7420 2281.5,7420 2281.5,6930 1581.5,6930
GND on Top Layer "TOPGND" (solid, pour order 84): 1581.5,8409 2281.5,8409 2281.5,7919 1581.5,7919
GND on Top Layer "TOPGND" (solid, pour order 73): 1581.5,9398 2281.5,9398 2281.5,8908 1581.5,8908
GND on Top Layer "TOPGND" (solid, pour order 62): 1581.5,10387 2281.5,10387 2281.5,9897 1581.5,9897
GND on Top Layer "TOPGND" (solid, pour order 61): 504,10387 1204,10387 1204,9897 504,9897
GND on Top Layer "TOPGND" (solid, pour order 72): 504,9398 1204,9398 1204,8908 504,8908
GND on Top Layer "TOPGND" (solid, pour order 83): 504,8409 1204,8409 1204,7919 504,7919
GND on Top Layer "TOPGND" (solid, pour order 92): 504,7420 1204,7420 1204,6930 504,6930
GND on Top Layer "TOPGND" (solid, pour order 101): 504,6431 1204,6431 1204,5941 504,5941
GND on Top Layer "TOPGND" (solid, pour order 110): 504,5442 1204,5442 1204,4952 504,4952
GND on Bottom Layer "TOPGND" (solid, remove dead copper, pour order 82): 204,1050 204,50 10204,50 10204,1050
+5V on VCC "VCC+5V" (solid, remove dead copper, pour order 60): 349,100 10049,100 10049,10525 349,10525
GND on GND "GNDGND" (solid, remove dead copper, pour order 71): 349,100 10049,100 10049,10525 9004,10525 9004,4550 8934,4550 8934,10525 7919,10525 7919,4550 7844,4550 7844,10525 6844,10525 6844,4550 6769,4550 6769,10525 5764,10525 5764,4550 5689,4550 5689,10525 4694,10525 4694,4550 4619,4550 4619,10525 3614,10525 3614,4550 3539,4550 3539,10525 2544,10525 2544,4550 2469,4550 2469,10525 1459,10525 1459,4550 1384,4550 1384,10525 349,10525

## Keep-outs
Keep-Out Layer:
  circle w10: c10159.5,2500 r102
  circle w10: c10159.5,200 r102
  circle w10: c8604,200 r102
  circle w10: c6454,200 r102
  circle w10: c4304,200 r102
  circle w10: c2129,200 r102
  circle w10: c240,200 r102
  circle w10: c240,2500 r102
  circle w10: c240,6500 r102
  circle w10: c240,8750 r102
  circle w10: c2129,10639 r102
  circle w10: c4304,10639 r102
  circle w10: c6454,10639 r102
  circle w10: c8604,10639 r102
  circle w10: c10159.5,8750 r102
  circle w10: c10159.5,6500 r102
  circle w10: c10159.5,4483 r162
  circle w10: c10159.5,10639 r162
  circle w10: c240,10639 r162
  circle w10: c240,4483 r162

## Other copper
Top Layer:
  text "TOP LAYER" at 2200,-1775 h100
VCC:
  text "MID1 LAYER" at 2234,-1758 h100
GND:
  text "MID2 LAYER" at 2213,-1775 h100
Bottom Layer:
  text "071812" at 158,1887 h60 r270
  text "Rev1" at 155,1497 h60 r270
  text "BOTTOM" at 2819,-1775 h100

## Silkscreen, mask and mechanical layers (free items; w line width, h text height)
Top Overlay:
  text "1-2" at 1689,9797 h100
  text "1-4" at 3864,9797 h100
  text "1-5" at 4939,9792 h100
  text "1-8" at 8199,9792 h100
  text "1-9" at 9259,9792 h100
  text "1-1" at 684,9787 h100
  text "1-3" at 2774,9787 h100
  text "1-6" at 6034,9787 h100
  text "1-7" at 7094,9782 h100
  text "2-8" at 8169,8802 h100
  text "2-9" at 9264,8802 h100
  text "2-1" at 659,8797 h100
  text "2-2" at 1704,8797 h100
  text "2-3" at 2774,8797 h100
  text "2-4" at 3864,8797 h100
  text "2-5" at 4934,8797 h100
  text "2-6" at 6029,8797 h100
  text "2-7" at 7129,8792 h100
  text "3-2" at 1684,7817 h100
  text "3-3" at 2789,7812 h100
  text "3-1" at 644,7807 h100
  text "3-5" at 4939,7807 h100
  text "3-8" at 8179,7807 h100
  text "3-4" at 3849,7802 h100
  text "3-6" at 6034,7802 h100
  text "3-7" at 7109,7802 h100
  text "3-9" at 9264,7802 h100
  text "4-8" at 8179,6827 h100
  text "4-2" at 1694,6822 h100
  text "4-6" at 6014,6822 h100
  text "4-9" at 9244,6822 h100
  text "4-3" at 2784,6817 h100
  text "4-4" at 3859,6817 h100
  text "4-5" at 4944,6817 h100
  text "4-1" at 649,6812 h100
  text "4-7" at 7109,6812 h100
  text "5-2" at 1694,5832 h100
  text "5-3" at 2784,5832 h100
  text "5-4" at 3874,5832 h100
  text "5-6" at 6029,5832 h100
  text "5-8" at 8174,5832 h100
  text "5-1" at 634,5827 h100
  text "5-5" at 4944,5827 h100
  text "5-9" at 9259,5827 h100
  text "5-7" at 7124,5822 h100
  text "6-6" at 6004,4847 h100
  text "6-8" at 8169,4847 h100
  text "6-2" at 1694,4842 h100
  text "6-3" at 2779,4842 h100
  text "6-5" at 4954,4842 h100
  text "6-7" at 7079,4842 h100
  text "6-1" at 619,4837 h100
  text "6-4" at 3874,4837 h100
  text "6-9" at 9244,4832 h100
  text "ON" at 5884,825 h60
  text "Active Wave, Inc." at 580,750 h200
  text "Seal Tag Tester" at 837,499 h150
  text "OFF" at 5869,355 h60
  text "Rev1" at 1401,235 h150
  text "071812" at 1465,90 h60
  text "TOP SILK" at 2343,-1771 h100
Top Paste:
  text "TOP PASTE" at 2338,-1775 h100
Top Solder:
  text "TOP MASK" at 2195,-1771 h100
Bottom Solder:
  text "BOTTOM MASK" at 3226,-1762 h100
AssemblyTop:
  text "TOP ASSEMBLY" at 2195,-1767 h100
Outline:
  lines w10: 2474.02,-1736.25 2513.4,-1736.25 ; 0,0 10400,0 10400,10885 0,10885 0,0
Title:
  lines w10: -140.53,-1761.42 -140.53,-661.42 cw(c-40.53,-661.42) -40.53,-561.42 4159.48,-561.42 ; -140.53,-1760.42 ccw(c-39.53,-1760.42) -41.29,-1861.4 ; -41.4,-1811.41 cw(c-40.53,-1761.42) -90.53,-1761.42 -90.53,-1661.42 cw(c-40.53,-1661.42) -40.53,-1611.42 1634.47,-1611.42 cw(c1634.47,-1661.42) 1684.47,-1661.42 1684.47,-1761.42 ; -41.4,-1561.41 cw(c-40.52,-1511.42) -90.52,-1511.42 -90.53,-1286.42 cw(c-40.53,-1286.42) -40.53,-1236.42 709.47,-1236.42 ; -40.53,-1861.42 4159.47,-1861.42 ccw(c4159.47,-1761.42) 4259.47,-1761.42 4259.47,-661.42 ; -40.53,-1811.42 1634.47,-1811.42 ; -40.53,-1561.42 709.47,-1561.42 ; 708.76,-1236.45 cw(c710.47,-1285.42) 759.47,-1285.42 ; 709.47,-1186.42 -40.53,-1186.42 cw(c-40.53,-1136.42) -90.53,-1136.42 -90.53,-911.42 cw(c-40.53,-911.42) -40.53,-861.42 709.47,-861.42 ; 710.47,-1561.42 ccw(c710.47,-1512.42) 759.47,-1512.42 ; 710.47,-861.42 cw(c710.47,-910.42) 759.47,-910.42 ; 711.47,-1186.42 ccw(c711.47,-1138.42) 759.47,-1138.42 ; 759.47,-1511.42 759.47,-1286.42 ; 759.47,-1136.42 759.47,-911.42 ; 809.47,-1512.42 ccw(c858.47,-1512.42) 858.47,-1561.42 ; 809.47,-1511.42 809.47,-1386.42 cw(c859.47,-1386.42) 859.47,-1336.42 2459.47,-1336.42 ; 809.47,-1237.42 ccw(c858.47,-1237.42) 858.47,-1286.42 ; 809.47,-1236.42 809.47,-911.42 cw(c859.47,-911.42) 859.47,-861.42 2909.47,-861.42 cw(c2909.47,-911.42) 2959.47,-911.42 2959.47,-1236.42 cw(c2909.47,-1236.42) 2910.35,-1286.42 ; 859.47,-1561.42 2459.47,-1561.42 ; 859.47,-1286.42 2909.47,-1286.42 ; 1635.64,-1811.42 ccw(c1636.47,-1763.42) 1684.46,-1761.74 ; 1783.6,-1811.41 cw(c1784.47,-1761.42) 1734.47,-1761.42 1734.47,-1661.42 cw(c1784.47,-1661.42) 1784.47,-1611.42 3459.47,-1611.42 cw(c3459.47,-1661.42) 3509.47,-1661.42 3509.47,-1761.42 ; 1784.47,-1811.42 3459.47,-1811.42 ; 2460.47,-1561.42 ccw(c2460.47,-1512.42) 2509.47,-1511.56 ; 2460.47,-1336.42 cw(c2460.47,-1385.42) 2509.47,-1385.42 ; 2509.47,-1511.42 2509.47,-1386.42 ; 2559.47,-1511.42 2559.47,-1386.42 ; 2559.47,-1510.42 ccw(c2610.47,-1510.42) 2609.58,-1561.41 ; 2559.54,-1386.93 cw(c2607.47,-1384.42) 2607.47,-1336.42 ; 2609.47,-1561.42 2909.47,-1561.42 ccw(c2909.47,-1511.42) 2959.47,-1511.42 2959.47,-1386.42 ; 2609.47,-1336.42 2909.47,-1336.42 ; 2910.47,-1336.42 cw(c2910.47,-1385.42) 2959.47,-1385.42 ; 3009.47,-1512.42 ccw(c3058.47,-1512.42) 3059.33,-1561.41 ; 3009.47,-1511.42 3009.47,-1386.42 cw(c3059.47,-1386.42) 3059.47,-1336.42 4159.47,-1336.42 ; 3059.47,-1561.42 4159.47,-1561.42 ; 3460.64,-1811.42 ccw(c3461.47,-1763.42) 3509.46,-1761.74 ; 3559.47,-1762.42 ccw(c3608.47,-1762.42) 3609.33,-1811.41 ; 3559.47,-1761.42 3559.47,-1661.42 cw(c3609.47,-1661.42) 3609.47,-1611.42 4159.47,-1611.42 cw(c4159.47,-1661.42) 4209.48,-1660.54 ; 3609.47,-1811.42 4159.47,-1811.42 ccw(c4159.47,-1761.42) 4209.47,-1761.42 4209.47,-1661.42 ; 4158.75,-610.87 cw(c4160.46,-659.84) 4209.46,-659.84 ; 4159.47,-1286.42 3059.47,-1286.42 cw(c3059.47,-1236.42) 3009.47,-1236.42 3009.47,-661.42 cw(c3059.47,-661.42) 3059.47,-611.42 4159.47,-611.42 ; 4159.46,-560.84 cw(c4159.46,-660.84) 4259.46,-660.84 ; 4160.14,-1560.68 ccw(c4160.14,-1510.68) 4210.14,-1510.68 4210.14,-1384.68 ccw(c4161.14,-1384.68) 4161.14,-1335.68 ; 4160.14,-1285.68 ccw(c4160.14,-1235.68) 4210.14,-1235.68 ; 4209.47,-1236.42 4209.47,-661.42 ; -90.53,-761.42 ccw(c-40.53,-761.42) -40.53,-811.42 2909.47,-811.42 ccw(c2909.47,-761.42) 2959.47,-761.42 2959.47,-661.42 ccw(c2909.48,-661.42) 2909.48,-611.42 -40.53,-611.42 ccw(c-40.53,-661.42) -90.53,-661.42 -90.53,-761.42
  text "Active Wave" at 804.08,-761.28 h90
  text "TITLE:" at 846.97,-948.92 h50
  text "ENGINEER:" at -40.53,-961.42 h50
  text "JCM II" at 338.08,-966.28 h50
  text "TAG201 Gang Programmer" at 878.08,-1147.28 h110
  text "PHONE:" at -40.53,-1148.92 h50
  text "DRAWN by :" at -40.52,-1341.42 h50
  text "JCM II" at 428.08,-1346.28 h50
  text "Approval" at 859.47,-1423.92 h50
  text "REV:" at 2596.97,-1423.92 h50
  text "DATE:" at 3059.47,-1423.92 h50
  text "05/30/2012" at 3485.82,-1470.74 h50
  text "1.0" at 2771.98,-1498.92 h50
  text "PHONE:" at -40.53,-1523.92 h50
  text "FILE NAME:" at -40.53,-1701.42 h50
  text "LAYER:" at 1799.47,-1701.42 h50
  text "GERBER:" at 3619.47,-1701.42 h50
Notes:
  lines w8: 5264.09,-854.78 5839.09,-854.78
  text "Notes:" at 5299.4,-825.53 h100
  text "1) 0.125\" Thick 4 Layer board" at 4484.38,-1130.62 h100
  text "2) RoHS Compliant FR4 material /w 1oz. copper" at 4448.65,-1338.69 h100
  text "3) Add White Silk Screen Over Tented Vias" at 4464.66,-1527.27 h100
  text "4) Green Solder Mask Both Sides" at 4473.32,-1752.53 h100
Panel:
  drawing of 315 lines, arcs and shapes, not listed
  text "Panel" at 2529,-1771 h100
Drill Drawing:
  text ".Legend" at 9271.08,-1525.28 h40
  text "DRILL" at 2377,-1758 h100

## Dimensions
0,0 to 10400,0 on Dimension
10400,0 to 10400,10885 on Dimension